# Altium PCB FMC_ADC_250M_16B_4ch_pcb.PcbDoc (part 7 of 8)
Units mm, origin at the board's own origin, x right, y up, seen from the top; angles counter-clockwise.
Board outline 76.75 x 69 mm, 8 copper layers (Top Layer, GND(SMAGND), L3, GND, L5, GND (Plane2), Power, Bottom Layer), stack 1.363 mm thick; 374 components, 427 nets, 2157 pads, 1340 vias.
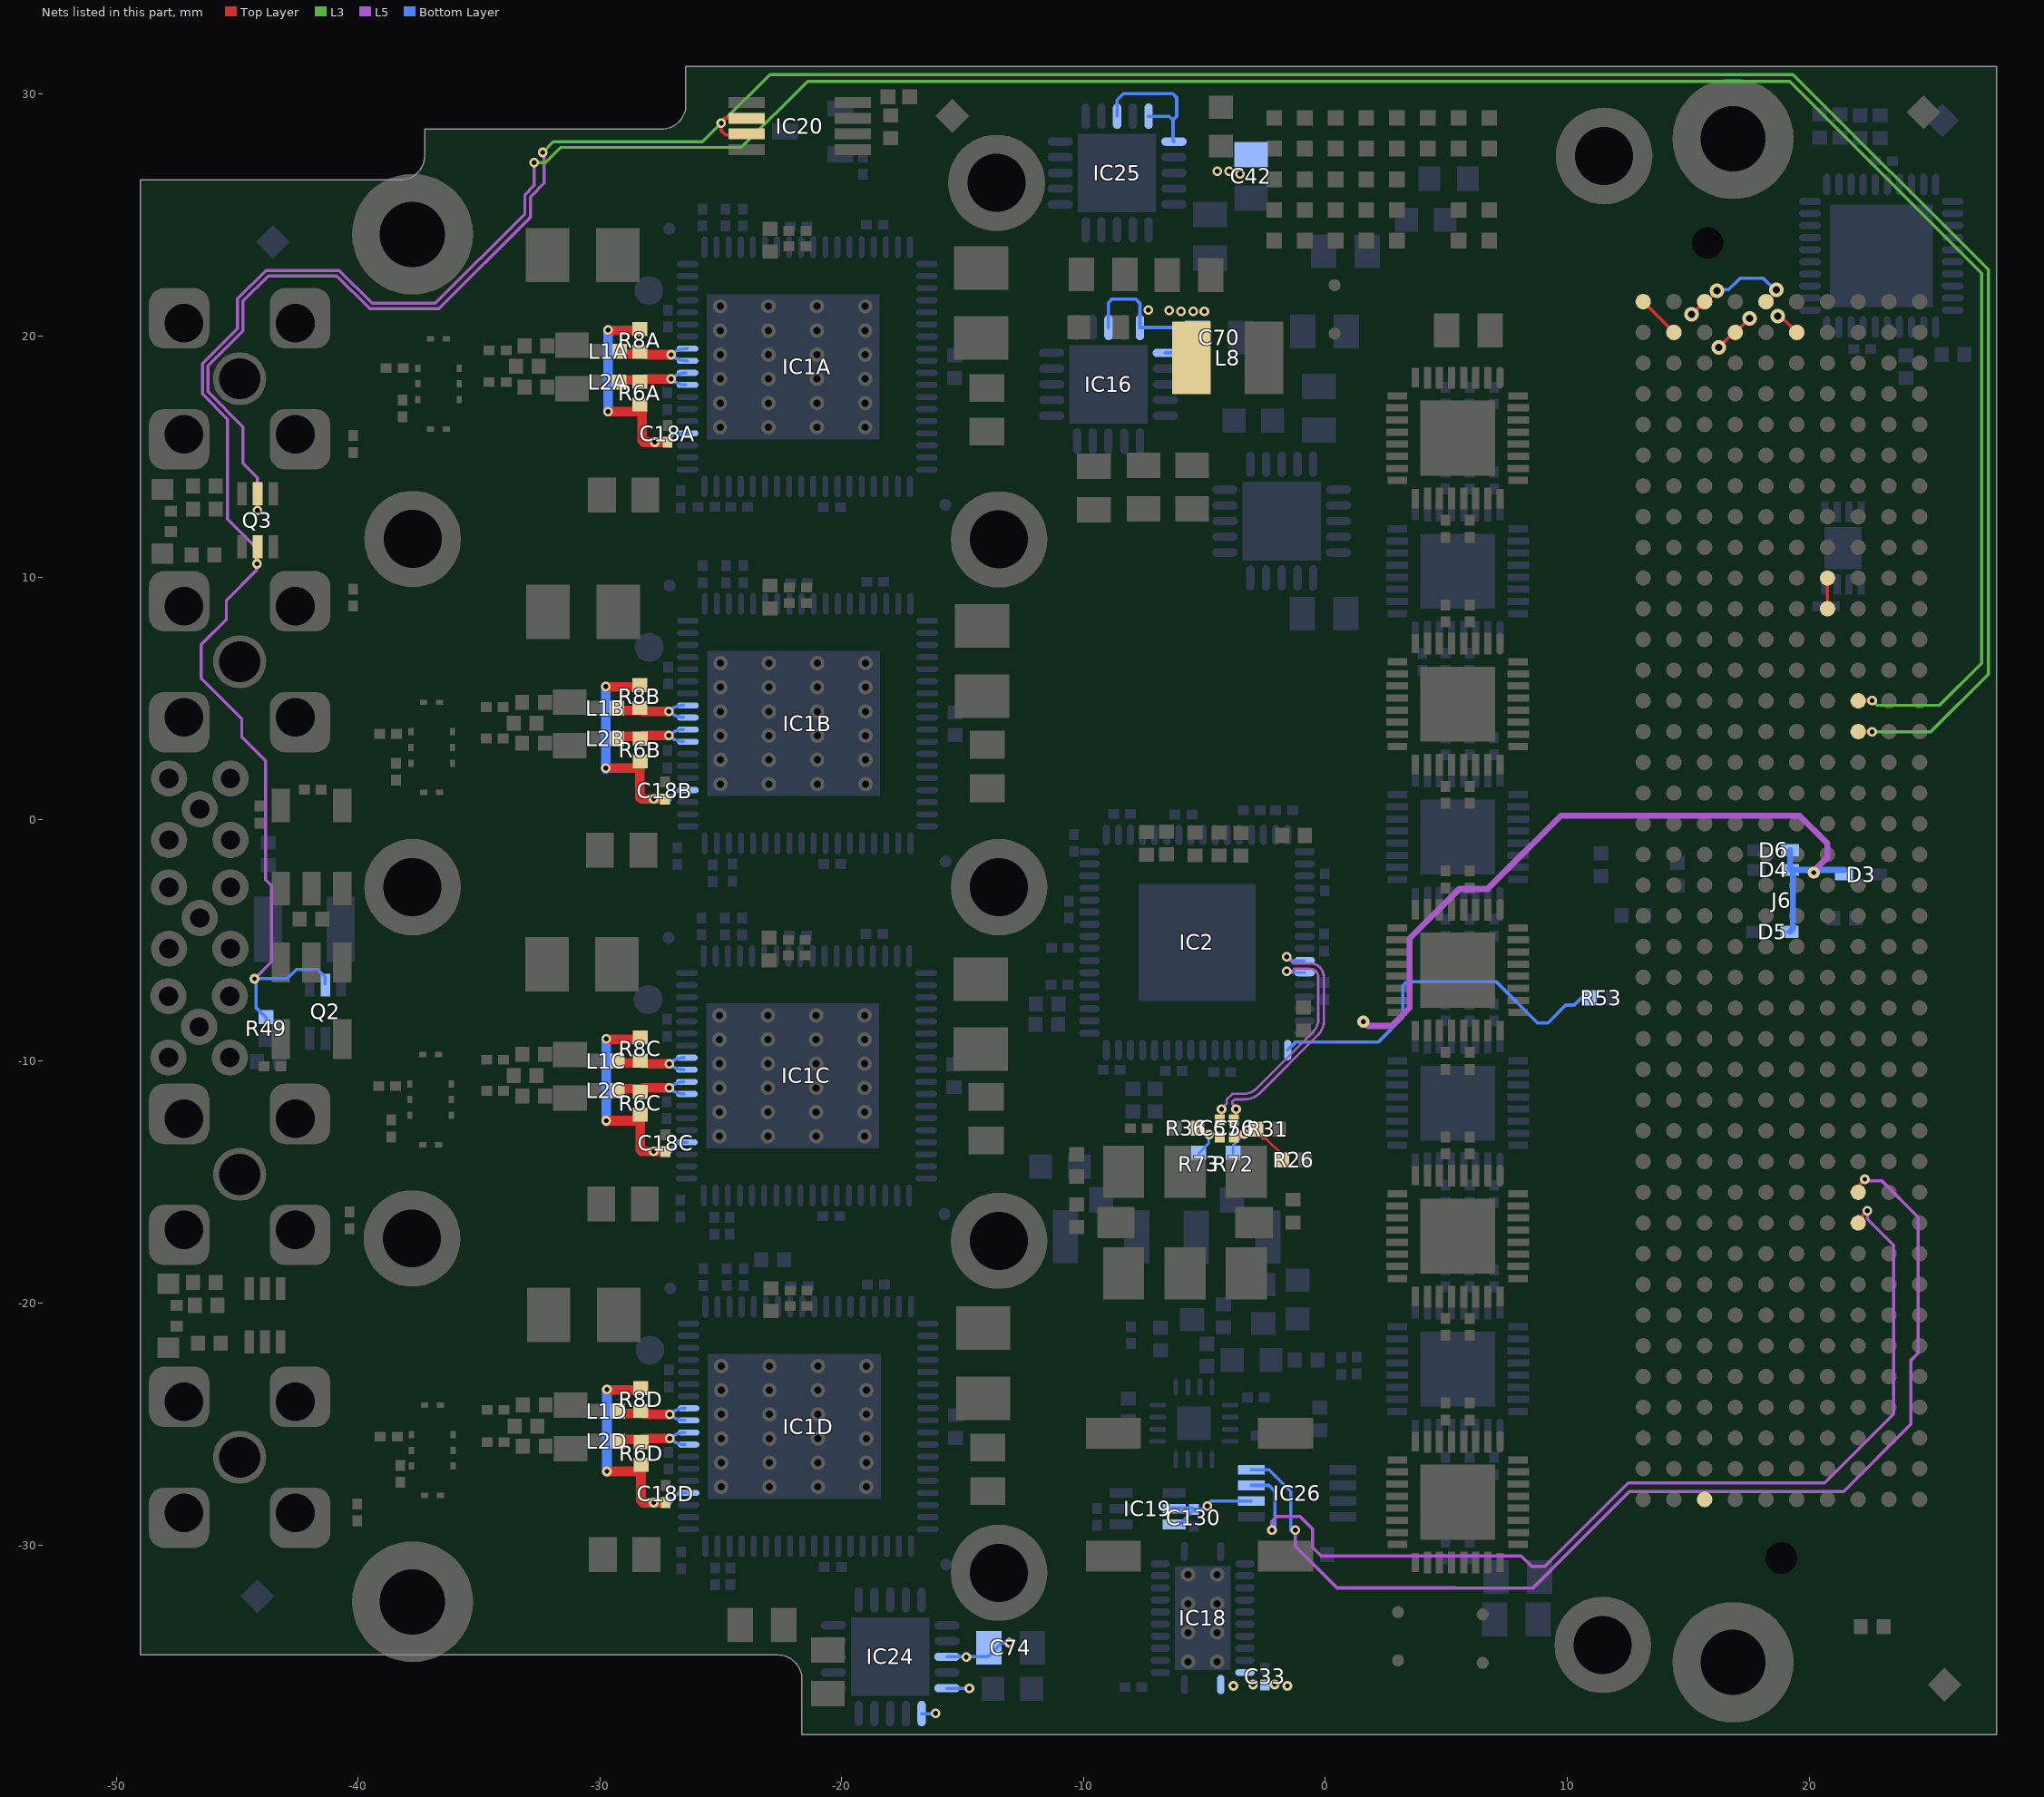
[diagram p13: the nets of this part, all layers, seen from the top]

## Via types
v1: diameter 0.4, hole 0.2, Top Layer to Bottom Layer, tented both sides, 961 vias
v2: diameter 0.5, hole 0.2, Top Layer to Bottom Layer, tented both sides, 351 vias
v3: diameter 0.4, hole 0.2, Top Layer to Bottom Layer, 13 vias
v4: diameter 0.5, hole 0.25, Top Layer to Bottom Layer, tented both sides, 8 vias
v5: diameter 0.6, hole 0.3, Top Layer to Bottom Layer, tented both sides, 7 vias

## Nets (pads, with @x,y where several pads share a name; then routed paths per layer and width w, separated by ;. In a path a pad name is that pad's centre, name@x,y a point inside that pad or via, vN(x,y) a via of type N, cw(c..) or ccw(c..) an arc to the next point about the centre after c; other vN are vias at no path point) (continued)
SI_SCL: IC26.3 J6.c10 | length 42.3
  Top Layer w0.135: J6.c10@22.031,-16.685 22.031,-16.55 v1(22.406,-16.175)
  L5 w0.135: v1(-2.21,-29.388) -2.21,-29.032 -2.007,-28.829 -1.041,-28.829 -0.533,-29.337 -0.533,-30.099 -0.178,-30.455 8.103,-30.455 8.534,-30.886 9.068,-30.886 12.522,-27.432 20.65,-27.432 23.495,-24.587 23.495,-17.602 22.406,-16.514 v1(22.406,-16.175)
  Bottom Layer w0.135: IC26.3@-3.068,-27.539 -2.337,-27.539 -2.083,-27.793 v1@-2.083,-29.388 ; v1@22.381,-16.15 v1(22.406,-16.175)
SI_SDA: IC26.4 J6.c11 | length 45.4
  Top Layer w0.135: J6.c11@22.031,-15.415 22.031,-15.15 v1(22.306,-14.875)
  L5 w0.135: v1(-1.245,-29.388) -1.245,-30.048 0.485,-31.778 5.367,-31.778 5.372,-31.783 8.578,-31.783 12.573,-27.788 21.431,-27.788 24.202,-25.016 24.202,-22.381 24.511,-22.073 24.511,-16.444 23.017,-14.95 22.381,-14.95 v1(22.306,-14.875)
  Bottom Layer w0.135: IC26.4@-3.068,-26.889 -2.337,-26.889 -1.433,-27.793 v1@-1.433,-29.388
STATUS: IC2.17 R53.2 | length 15.6
  Bottom Layer w0.135: IC2.17@-1.558,-9.534 -1.234,-9.21 2.178,-9.21 3.206,-8.181 3.206,-6.875 3.365,-6.717 7.072,-6.717 8.769,-8.413 9.202,-8.413 9.94,-7.675 10.287,-7.675 10.587,-7.375 R53.2@10.956,-7.375
TDI: J6.d30 J6.d31 | length 1.3
  Top Layer w0.135: J6.d30@20.761,8.715 J6.d31@20.761,9.985
TRIG_DIR: IC20.2 IC20.3 J6.c26 Q3.2 | length 117.9
  Top Layer w0.135: v1(-44.152,12.776) Q3.2@-44.15,13.475 ; v1(-24.982,28.793) -24.982,28.488 -24.805,28.31 IC20.3@-24.144,28.31 ; -24.88,28.997 IC20.2@-23.966,28.997 ; J6.c26@22.031,3.635 22.596,3.635 v1(22.606,3.625)
  L5 w0.127: v1(-44.152,12.776) -44.152,14.129 -44.755,14.732 -44.755,16.238 -46.205,17.689 -46.205,18.76 -44.755,20.211 -44.755,21.438 -43.713,22.479 -40.869,22.479 -39.511,21.121 -36.654,21.121 -32.87,24.905 -32.87,25.745 -32.3,26.316 -32.3,27.525 v1(-32.36,27.584)
  L3 w0.127: v1(-32.36,27.584) -31.922,28.022 -25.753,28.022 v1(-24.982,28.793) -22.968,30.807 19.336,30.807 27.414,22.73 27.414,6.014 25.025,3.625 v1(22.606,3.625)
TRIG_TERM: J6.c27 Q2.5 Q3.5 R49.2 | length 141.9
  Top Layer w0.135: v1(-44.175,10.575) -44.15,10.6 -44.179,10.6 -44.196,10.617 -44.145,10.668 Q3.5@-44.145,11.659 ; J6.c27@22.031,4.905 22.586,4.905 v1(22.606,4.925)
  L5 w0.127: v1(-44.279,-6.59) -43.577,-5.888 -43.577,-2.727 -43.817,-2.487 -43.817,2.43 -44.806,3.419 -44.806,4.166 -46.482,5.842 -46.482,7.236 -45.441,8.277 -45.441,9.068 -44.196,10.312 -44.196,11.227 -45.39,12.421 -45.39,16.55 -46.434,17.594 -46.434,18.855 -44.983,20.305 -44.983,21.532 -43.807,22.708 -40.775,22.708 -39.417,21.35 -36.8,21.35 -33.099,25.051 -33.099,25.84 -32.715,26.223 v1(-32.715,27.16)
  L3 w0.127: v1@-44.322,-6.546 v1(-44.279,-6.59) ; v1(-32.715,27.16) -32.247,27.16 -31.613,27.794 -24.137,27.794 -21.407,30.525 19.206,30.525 27.135,22.597 27.135,6.46 25.4,4.725 22.806,4.725 v1(22.606,4.925)
  Bottom Layer w0.135: v1@-44.29,-6.579 -42.926,-6.579 -42.545,-6.198 -41.671,-6.198 -41.369,-6.5 Q2.5@-41.369,-6.8 ; v1(-44.279,-6.59) -44.221,-6.647 -44.221,-7.772 R49.2@-43.794,-8.2
VADJ: C33.2 C130.2 D3.1 D4.1 D5.1 D6.1 IC18.23 IC18.24 IC19.5 IC19.6 IC26.2 J6.e39 J6.f40 J6.g39 J6.h40 | length 43.8
  Top Layer w0.135: v5(15.15,20.893) 15.16,20.893 J6.h40@15.681,21.415 15.748,21.415 v5(16.191,21.858) ; v5(16.267,19.522) 16.891,20.145 J6.g39@16.951,20.145 16.967,20.145 v5(17.537,20.715) ; J6.f40@18.221,21.415 18.655,21.848 v5(18.655,21.909) ; v5(18.706,20.825) 18.811,20.825 J6.e39@19.491,20.145
  L5 w0.254: v2(1.575,-8.357) 1.753,-8.534 2.743,-8.534 3.48,-7.798 3.48,-4.928 5.537,-2.87 6.706,-2.87 9.728,0.152 19.614,0.152 20.761,-0.995 20.761,-1.565 20.2,-2.127 v2(20.2,-2.2)
  Bottom Layer w0.135: IC19.5@-6.316,-28.47 C130.2@-5.495,-28.47 ; IC19.6@-6.006,-29.12 C130.2@-5.495,-28.609 ; C130.2@-5.436,-28.53 -5.086,-28.53 v1@-4.928,-28.372 ; v1(-4.877,-28.397) -4.877,-28.346 -4.719,-28.189 IC26.2@-3.068,-28.189 ; v5@16.293,21.909 16.674,21.909 17.139,22.375 18.113,22.375 v5@18.579,21.909
  Bottom Layer w0.254: D5.1@19.191,-4.648 19.335,-4.504 19.335,-2.145 D4.1@19.273,-2.083 ; D4.1@19.197,-2.007 D4.1@19.217,-2.026 ; D6.1@19.217,-1.27 D4.1@19.217,-2.026 ; D3.1@21.45,-2.083 D4.1@19.273,-2.083 ; D4.1@19.217,-2.026 D4.1@19.273,-2.083
  other v1: -3.804,-35.83 -1.569,-35.83 -2.994,-35.775 -2.094,-35.775
VADJ_FILT: C42.1 C70.1 C74.1 IC16.13 IC16.15 IC16.16 IC24.13 IC24.15 IC24.16 IC25.13 IC25.15 IC25.16 L8.2 | length 18.2
  Bottom Layer w0.135: IC24.16@-16.694,-36.975 -16.125,-36.975 v1(-16.118,-36.968) ; IC24.15@-15.644,-35.925 -14.722,-35.925 v1(-14.721,-35.927) ; IC24.13@-15.644,-34.625 v1@-14.848,-34.625 ; v1(-14.848,-34.631) v1@-14.848,-34.625 ; v1(-13.07,-34.047) -13.375,-34.047 -13.953,-34.625 v1@-14.848,-34.625 ; IC16.13@-8.966,20.346 -8.966,21.374 -8.814,21.527 -7.849,21.527 -7.666,21.344 IC16.15@-7.666,20.346 -5.714,20.346 C70.1@-5.294,19.927 -5.925,19.296 IC16.16@-6.616,19.296 ; IC25.13@-8.611,29.084 -8.611,29.756 -8.349,30.018 -6.307,30.018 -6.147,29.858 -6.147,29.077 -6.299,28.925 ; IC25.15@-7.311,29.084 -6.458,29.084 -6.299,28.925 ; IC25.16@-6.261,28.034 -6.299,28.072 -6.299,28.925
  other v1: -5.969,21.019 -5.461,21.019 -5.004,21.019 -6.452,21.044 -7.315,21.07 -3.531,26.695 -4.47,26.81 -3.988,26.81
VCMA: C18A.1 IC1A.4 R6A.2 R8A.1 | length 10
  Top Layer w0.4: v3(-29.655,16.866) -28.245,16.866 ; v3(-29.655,20.244) -29.642,20.231 R8A.1@-28.245,20.231 ; R6A.2@-28.25,16.916 -28.25,15.663 -28.188,15.601 C18A.1@-27.203,15.601
  Bottom Layer w0.135: -27.318,15.582 -26.929,15.971 IC1A.4@-26.375,15.971
  Bottom Layer w0.254: v1(-27.725,15.601) -27.706,15.582 -27.318,15.582
  Bottom Layer w0.4: v3(-29.655,16.866) v3(-29.655,20.244)
VCMB: C18B.1 IC1B.4 R6B.2 R8B.1 | length 10
  Top Layer w0.4: v3(-29.749,2.119) R6B.2@-28.339,2.119 ; v3@-29.736,5.485 R8B.1@-28.339,5.485 ; R6B.2@-28.345,2.17 -28.345,0.917 -28.283,0.855 C18B.1@-27.298,0.855
  Bottom Layer w0.135: -27.11,0.875 -26.769,1.217 IC1B.4@-26.361,1.217
  Bottom Layer w0.254: v1@-27.775,0.828 -27.157,0.828
  Bottom Layer w0.4: v3@-29.749,2.094 v3(-29.749,5.498)
  other v1: -27.775,0.855
VCMC: C18C.1 IC1C.4 R6C.2 R8C.1 | length 10.3
  Top Layer w0.4: v3(-29.731,-12.455) R6C.2@-28.321,-12.455 ; v3@-29.718,-9.09 R8C.1@-28.321,-9.09 ; R6C.2@-28.327,-12.404 -28.327,-13.658 -28.265,-13.719 C18C.1@-27.28,-13.719
  Bottom Layer w0.135: v1(-27.775,-13.725) v1@-27.775,-13.719 ; -27.136,-13.719 -26.767,-13.35 IC1C.4@-26.452,-13.35 ; IC1C.4@-26.718,-13.35 IC1C.4@-26.403,-13.35
  Bottom Layer w0.254: v1@-27.775,-13.719 -27.136,-13.719
  Bottom Layer w0.4: v3@-29.731,-12.48 v3(-29.731,-9.077)
VCMD: C18D.1 IC1D.4 R6D.2 R8D.1 | length 9.9
  Top Layer w0.4: v3(-29.706,-26.955) R6D.2@-28.296,-26.955 ; v3@-29.693,-23.59 R8D.1@-28.296,-23.59 ; R6D.2@-28.302,-26.904 -28.302,-28.158 -28.209,-28.25 -27.286,-28.25 C18D.1@-27.255,-28.219
  Bottom Layer w0.135: -27.111,-28.219 -26.742,-27.85 IC1D.4@-26.427,-27.85
  Bottom Layer w0.254: v1@-27.65,-28.219 -27.111,-28.219
  Bottom Layer w0.4: v3@-29.706,-26.98 v3(-29.706,-23.577)
  other v1: -27.775,-28.25
VCOC_N: C57.1 IC2.11 | length 10.3
  Top Layer w0.102: C57.1@-4.294,-12.425 v1(-4.294,-11.975)
  L5 w0.102: v1@-4.281,-11.949 -4.078,-11.746 -4.078,-11.58 -3.844,-11.346 -3.394,-11.346 ccw(c-3.394,-10.553) -2.833,-11.114 -0.522,-8.804 ; v1@-1.494,-6.375 -1.294,-6.175 -0.635,-6.175 cw(c-0.635,-6.516) -0.394,-6.275 cw(c-0.635,-6.516) -0.294,-6.516 -0.294,-8.407 ; -0.522,-8.803 ccw(c-1.074,-8.252) -0.294,-8.252
  Bottom Layer w0.102: v1@-1.494,-6.375 v1@-1.494,-6.334 ; v1@-1.494,-6.288 v1@-1.494,-6.334 ; IC2.11@-0.858,-6.334 v1@-1.494,-6.334
  other v1: -1.594,-6.275
VCOC_P: C56.1 IC2.10 | length 10.7
  Top Layer w0.102: C56.1@-3.694,-12.425 v1(-3.694,-11.975)
  L5 w0.102: v1@-3.657,-11.938 -3.85,-11.746 -3.85,-11.675 -3.75,-11.575 -3.354,-11.575 ccw(c-3.354,-10.648) -2.699,-11.304 ; -2.699,-11.304 -0.294,-8.898 ccw(c-0.845,-8.346) -0.065,-8.346 ; v1(-1.594,-5.675) -1.322,-5.946 -0.635,-5.946 cw(c-0.635,-6.516) -0.232,-6.113 cw(c-0.635,-6.516) -0.065,-6.516 -0.065,-8.407
  Bottom Layer w0.102: v1(-1.594,-5.675) -1.473,-5.796 -1.395,-5.796 -1.356,-5.834 IC2.10@-0.858,-5.834
VCXO_OUT_N: C57.2 R36.1 R73.2 | length 2.2
  Top Layer w0.102: R36.1@-5.316,-12.776 -5.029,-12.776 v1@-4.851,-12.954 ; v1(-4.801,-13.03) -4.801,-13.005 v1@-4.851,-12.954 ; C57.2@-4.369,-13.126 -4.541,-12.954 v1@-4.851,-12.954
  Bottom Layer w0.102: R73.2@-5.232,-13.799 -4.826,-13.393 -4.826,-12.979 -4.801,-13.005 v1(-4.801,-13.03)
VCXO_OUT_P: C56.2 R26.2 R31.1 R72.2 | length 3.7
  Top Layer w0.102: C56.2@-3.785,-13.126 -3.474,-13.126 v1(-3.353,-13.005) -3.327,-13.005 -3.124,-12.802 R31.1@-2.838,-12.802 ; R31.1@-2.85,-13.025 -2.75,-13.025 -2.575,-13.2 -2.45,-13.2 -1.76,-13.89 R26.2@-1.76,-14.083
  Bottom Layer w0.102: R72.2@-3.81,-13.799 -3.81,-13.462 v1(-3.353,-13.005)
VINA_N: IC1A.8 IC1A.9 L2A.2 R6A.1 | length 3.5
  Top Layer w0.4: L2A.2@-29.093,18.186 R6A.1@-28.245,18.186 ; R6A.1@-28.346,18.098 cw(c-28.054,17.808) -28.054,18.221 v1(-27.051,18.221)
  Bottom Layer w0.135: IC1A.9@-26.448,18.471 ccw(c-26.448,17.618) v1(-27.051,18.221) ccw(c-26.446,18.826) IC1A.8@-26.446,17.971
VINA_P: IC1A.10 IC1A.11 L1A.2 R8A.2 | length 3.5
  Top Layer w0.4: L1A.2@-29.068,19.253 R8A.2@-28.346,19.253 ; R8A.2@-28.346,19.342 ccw(c-28.054,19.634) -28.054,19.221 v1(-27.051,19.221)
  Bottom Layer w0.135: IC1A.10@-26.375,18.971 -26.446,18.971 cw(c-26.446,19.826) v1(-27.051,19.221) cw(c-26.448,18.618) -26.448,19.471 IC1A.11@-26.375,19.471
VINB_N: IC1B.8 IC1B.9 L2B.2 R6B.1 | length 3.5
  Top Layer w0.4: L2B.2@-29.188,3.44 R6B.1@-28.34,3.44 ; R6B.1@-28.441,3.354 cw(c-28.149,3.062) -28.149,3.475 v1(-27.146,3.475)
  Bottom Layer w0.135: IC1B.9@-26.543,3.724 ccw(c-26.543,2.872) v1(-27.146,3.475) ccw(c-26.541,4.079) IC1B.8@-26.541,3.224
VINB_P: IC1B.10 IC1B.11 L1B.2 R8B.2 | length 3.6
  Top Layer w0.4: L1B.2@-29.162,4.507 R8B.2@-28.273,4.507 ; R8B.2@-28.441,4.596 ccw(c-28.149,4.888) -28.149,4.475 v1(-27.146,4.475)
  Bottom Layer w0.135: IC1B.11@-26.543,4.724 ccw(c-26.543,3.872) v1(-27.146,4.475) ccw(c-26.541,5.079) IC1B.10@-26.541,4.224
VINC_N: IC1C.8 IC1C.9 L2C.2 R6C.1 | length 3.5
  Top Layer w0.4: L2C.2@-29.17,-11.134 R6C.1@-28.322,-11.134 ; R6C.1@-28.423,-11.221 cw(c-28.131,-11.513) -28.131,-11.1 v1(-27.128,-11.1)
  Bottom Layer w0.135: IC1C.9@-26.525,-10.85 ccw(c-26.525,-11.702) v1(-27.128,-11.1) ccw(c-26.523,-10.495) IC1C.8@-26.523,-11.35
VINC_P: IC1C.10 IC1C.11 L1C.2 R8C.2 | length 3.6
  Top Layer w0.4: L1C.2@-29.144,-10.067 R8C.2@-28.255,-10.067 ; R8C.2@-28.423,-9.979 ccw(c-28.131,-9.686) -28.131,-10.1 v1(-27.128,-10.1)
  Bottom Layer w0.135: IC1C.11@-26.525,-9.85 ccw(c-26.525,-10.702) v1(-27.128,-10.1) ccw(c-26.523,-9.495) IC1C.10@-26.523,-10.35
VIND_N: IC1D.8 IC1D.9 L2D.2 R6D.1 | length 3.5
  Top Layer w0.4: L2D.2@-29.145,-25.634 R6D.1@-28.297,-25.634 ; R6D.1@-28.398,-25.721 cw(c-28.106,-26.013) -28.106,-25.6 v1(-27.103,-25.6)
  Bottom Layer w0.135: IC1D.9@-26.5,-25.35 ccw(c-26.5,-26.202) v1(-27.103,-25.6) ccw(c-26.498,-24.995) IC1D.8@-26.498,-25.85
VIND_P: IC1D.10 IC1D.11 L1D.2 R8D.2 | length 3.6
  Top Layer w0.4: L1D.2@-29.119,-24.567 R8D.2@-28.23,-24.567 ; R8D.2@-28.398,-24.479 ccw(c-28.106,-24.186) -28.106,-24.6 v1(-27.103,-24.6)
  Bottom Layer w0.135: IC1D.11@-26.5,-24.35 ccw(c-26.5,-25.202) v1(-27.103,-24.6) ccw(c-26.498,-23.995) IC1D.10@-26.498,-24.85
VIO_B_M2C: J6.j39 J6.k40 | length 1.8
  Top Layer w0.135: J6.k40@13.141,21.415 J6.j39@14.411,20.145
VREF_A_M2C: J6.h1
pads on no net: B2_PANEL.1 B3_PANEL.1 FTG1.1 FTG2.1 FTG3.1 FTG4.1 FTG5.1 FTG6.1 IC1A.1 IC1A.2 IC1A.17 IC1A.28 IC1A.29 IC1A.33 IC1A.34 IC1A.37 IC1A.38 IC1A.41 IC1A.42 IC1A.49 IC1A.50 IC1A.53 IC1A.54 IC1A.57 IC1A.58 IC1A.FTG1 IC1A.FTG2 IC1B.1 IC1B.2 IC1B.17 IC1B.28 IC1B.29 IC1B.33 IC1B.34 IC1B.37 IC1B.38 IC1B.41 IC1B.42 IC1B.49 IC1B.50 IC1B.53 IC1B.54 IC1B.57 IC1B.58 IC1B.FTG1 IC1B.FTG2 IC1C.1 IC1C.2 IC1C.17 IC1C.28 IC1C.29 IC1C.33 IC1C.34 IC1C.37 IC1C.38 IC1C.41 IC1C.42 IC1C.49 IC1C.50 IC1C.53 IC1C.54 IC1C.57 IC1C.58 IC1C.FTG1 IC1C.FTG2 IC1D.1 IC1D.2 IC1D.17 IC1D.28 IC1D.29 IC1D.33 IC1D.34 IC1D.37 IC1D.38 IC1D.41 IC1D.42 IC1D.49 IC1D.50 IC1D.53 IC1D.54 IC1D.57 IC1D.58 IC1D.FTG1 IC1D.FTG2 IC2.38 IC2.39 IC2.42 IC2.43 IC4.5 IC4.7 IC4.16 IC4.17 IC5.23 IC5.24 IC6.23 IC6.24 IC7.23 IC7.24 IC8.23 IC8.24 IC9.23 IC9.24 IC10.23 IC10.24 IC11.23 IC11.24 IC12.23 IC12.24 IC13.23 IC13.24 IC15.1 IC15.3 IC15.4 IC15.5 IC15.6 IC15.7 IC15.8 IC15.9 IC15.17 IC15.18 IC15.19 IC15.20 IC15.21 IC15.22 IC15.23 IC15.24 IC15.25 IC15.27 IC15.28 IC15.29 IC15.30 IC15.31 IC15.39 IC15.40 IC16.2 IC16.4 IC16.5 IC16.6 IC16.8 IC16.9 IC16.11 IC16.12 IC16.17 IC16.18 IC16.19 IC17.2 IC17.4 IC17.5 IC17.6 IC17.9 IC17.10 IC17.17 IC17.18 IC17.19 IC24.2 IC24.4 IC24.5 IC24.6 IC24.8 IC24.9 IC24.11 IC24.12 IC24.17 IC24.18 IC24.19 IC25.2 IC25.4 IC25.5 IC25.6 IC25.8 IC25.9 IC25.11 IC25.12 IC25.17 IC25.18 IC25.19 J6.1 J6.2 J6.a2 J6.a3 J6.a6 J6.a7 J6.a10 J6.a11 J6.a14 J6.a15 J6.a18 J6.a19 J6.a22 J6.a23 J6.a26 J6.a27 J6.a30 J6.a31 J6.a34 J6.a35 J6.a38 J6.a39 J6.b4 J6.b5 J6.b8 J6.b9 J6.b12 J6.b13 J6.b16 J6.b17 J6.b20 J6.b21 J6.b24 J6.b25 J6.b28 J6.b29 J6.b32 J6.b33 J6.b36 J6.b37 J6.b40 J6.c2 J6.c3 J6.c6 J6.c7 J6.d1 J6.d4 J6.d5 J6.d29 J6.d33 J6.d34 J6.k1 L3.2 TR1A.2 TR1B.2 TR1C.2 TR1D.2 TR6.2
copper on no net: | length 207
  Top Layer w0.143: 26.225,-3.375 27.6,-3.375 ; 26.225,-2.3 27.6,-2.3 ; 26.225,-1.225 27.6,-1.225 ; 26.225,-0.15 27.6,-0.15 ; 26.225,0.925 27.6,0.925 ; 26.225,2 27.6,2 ; 26.225,3.075 26.225,-4.45 27.6,-4.45 27.6,3.075 ; 26.225,3.075 27.6,3.075 ; 26.225,3.075 26.225,4.15 27.6,4.15 27.6,3.075
  L5 w0.143: 26.225,-4.45 27.6,-4.45 ; 26.225,-4.45 26.225,3.075 ; 26.225,-4.45 27.6,-4.45 ; 26.225,-4.45 26.225,3.075 ; 26.225,-4.45 27.6,-4.45 ; 26.225,-4.45 26.225,3.075 ; 26.225,-4.45 27.6,-4.45 ; 26.225,-4.45 26.225,3.075 ; 26.225,-3.375 27.6,-3.375 ; 26.225,-3.375 27.6,-3.375 ; 26.225,-3.375 27.6,-3.375 ; 26.225,-3.375 27.6,-3.375 ; 26.225,-2.3 27.6,-2.3 ; 26.225,-2.3 27.6,-2.3 ; 26.225,-2.3 27.6,-2.3 ; 26.225,-2.3 27.6,-2.3 ; 26.225,-1.225 27.6,-1.225 ; 26.225,-1.225 27.6,-1.225 ; 26.225,-1.225 27.6,-1.225 ; 26.225,-1.225 27.6,-1.225 ; 26.225,-0.15 27.6,-0.15 ; 26.225,-0.15 27.6,-0.15 ; 26.225,-0.15 27.6,-0.15 ; 26.225,-0.15 27.6,-0.15 ; 26.225,0.925 27.6,0.925 ; 26.225,0.925 27.6,0.925 ; 26.225,0.925 27.6,0.925 ; 26.225,0.925 27.6,0.925 ; 26.225,2 27.6,2 ; 26.225,2 27.6,2 ; 26.225,2 27.6,2 ; 26.225,2 27.6,2 ; 26.225,3.075 27.6,3.075 ; 26.225,3.075 26.225,4.15 ; 26.225,3.075 27.6,3.075 ; 26.225,3.075 26.225,4.15 ; 26.225,3.075 27.6,3.075 ; 26.225,3.075 26.225,4.15 ; 26.225,3.075 27.6,3.075 ; 26.225,3.075 26.225,4.15 ; 26.225,4.15 27.6,4.15 ; 26.225,4.15 27.6,4.15 ; 26.225,4.15 27.6,4.15 ; 26.225,4.15 27.6,4.15 ; 27.6,-4.45 27.6,3.075 ; 27.6,-4.45 27.6,3.075 ; 27.6,-4.45 27.6,3.075 ; 27.6,-4.45 27.6,3.075 ; 27.6,3.075 27.6,4.15 ; 27.6,3.075 27.6,4.15 ; 27.6,3.075 27.6,4.15 ; 27.6,3.075 27.6,4.15
  L3 w0.143: 26.225,-3.375 27.6,-3.375 ; 26.225,-2.3 27.6,-2.3 ; 26.225,-1.225 27.6,-1.225 ; 26.225,-0.15 27.6,-0.15 ; 26.225,0.925 27.6,0.925 ; 26.225,2 27.6,2 ; 26.225,3.075 26.225,-4.45 27.6,-4.45 27.6,3.075 ; 26.225,3.075 27.6,3.075 ; 26.225,3.075 26.225,4.15 27.6,4.15 27.6,3.075
  Bottom Layer w0.143: 26.225,-3.375 27.6,-3.375 ; 26.225,-2.3 27.6,-2.3 ; 26.225,-1.225 27.6,-1.225 ; 26.225,-0.15 27.6,-0.15 ; 26.225,0.925 27.6,0.925 ; 26.225,2 27.6,2 ; 26.225,3.075 26.225,-4.45 27.6,-4.45 27.6,3.075 ; 26.225,3.075 27.6,3.075 ; 26.225,3.075 26.225,4.15 27.6,4.15 27.6,3.075

## Polygon pours and split planes (outlines as drawn)
NetJ1_2 on GND(SMAGND) "GND-No Net" (solid, pour order 15): -48.741,-22.375 -37,-22.375 -37,-29.799 -37.002,-29.803 -37.275,-30.328 -48.728,-30.328 -48.728,-22.4 -48.741,-22.375
NetJ2_2 on GND(SMAGND) "GND-No Net" (solid, pour order 16): -48.741,-8.375 -37,-8.375 -37,-17.946 -37.002,-17.951 -37.275,-18.628 -48.728,-18.628 -48.728,-8.407 -48.741,-8.375
NetJ8_2 on GND(SMAGND) "GND-No Net" (solid, pour order 17): -48.741,10.25 -37,10.25 -37,0.813 -37.002,0.809 -37.275,0.141 -48.728,0.141 -48.728,10.218 -48.741,10.25
NetJ9_2 on GND(SMAGND) "GND-No Net" (solid, pour order 18): -48.741,21.95 -37,21.95 -37,14.796 -37.002,14.793 -37.275,14.287 -48.728,14.287 -48.728,21.926 -48.741,21.95
GND on GND(SMAGND) "gnd L2" (solid, pour order 20): 22 vertices, not listed, extent -25.241,-37.868 27.142,30.53
GND on GND(SMAGND) "GND l2" (hatched 90Degree grid 0.178 track 0.203, remove dead copper, pour order 19): 39 vertices, not listed, extent -48.913,-32.524 -20.35,26.687
P3V3 on L5 "Bottom Layer-No Net 1" (solid, remove dead copper, pour order 13): 32 vertices, not listed, extent -4.758,14.249 21.937,21.412
GND on L3 "gnd L3" (solid, pour order 14): 22 vertices, not listed, extent -25.21,-37.668 27.173,30.73
GND on L3 "Top Layer-No Net" (hatched 90Degree grid 0.178 track 0.203, remove dead copper, pour order 12): 39 vertices, not listed, extent -48.882,-32.324 -25.905,26.887
no net on Top Layer "Bottom Layer-No Net" (solid, pour order 21): -48.527,25.505 -39.392,25.505 -39.392,22.956 -48.527,22.956
no net on Top Layer "Bottom Layer-No Net" (solid, pour order 22): -48.541,-31.15 -39.467,-31.15 -39.467,-33.626 -48.541,-33.626
GND on GND (split plane): 203 vertices, not listed, extent -48.483,-37.34 27.246,30.64
GND on GND (Plane2) (split plane): 199 vertices, not listed, extent -48.483,-37.34 27.246,30.64
P12V0 on Power (split plane): 36 vertices, not listed, extent 3.772,13.503 23.429,29.426
P3V7 on Power (split plane): 0.557,26.562 0.557,21.414 -4.261,21.414 -3.039,22.636 -3.022,22.661 -3.016,22.691 -3.016,24.193 -2.093,25.116 -2.076,25.141 -2.07,25.171 -2.07,27.115 0.004,27.115
P3V3CLK on Power (split plane): 38 vertices, not listed, extent -11.214,-26.897 -0.586,11.824
P1V8_OVDD on Power (split plane): 92 vertices, not listed, extent -15.318,-29.462 -6.237,22.443
P1V8DA on Power (split plane): 26 vertices, not listed, extent -22.709,11.776 -12.306,25.393
P1V8DB on Power (split plane): 29 vertices, not listed, extent -22.695,-2.978 -12.292,10.639
P3V3 on Power (split plane): 70 vertices, not listed, extent 1.588,-37.34 27.246,21.947